# Altium PCB Enigma Rev B.PcbDoc (part 2 of 8) (continued)
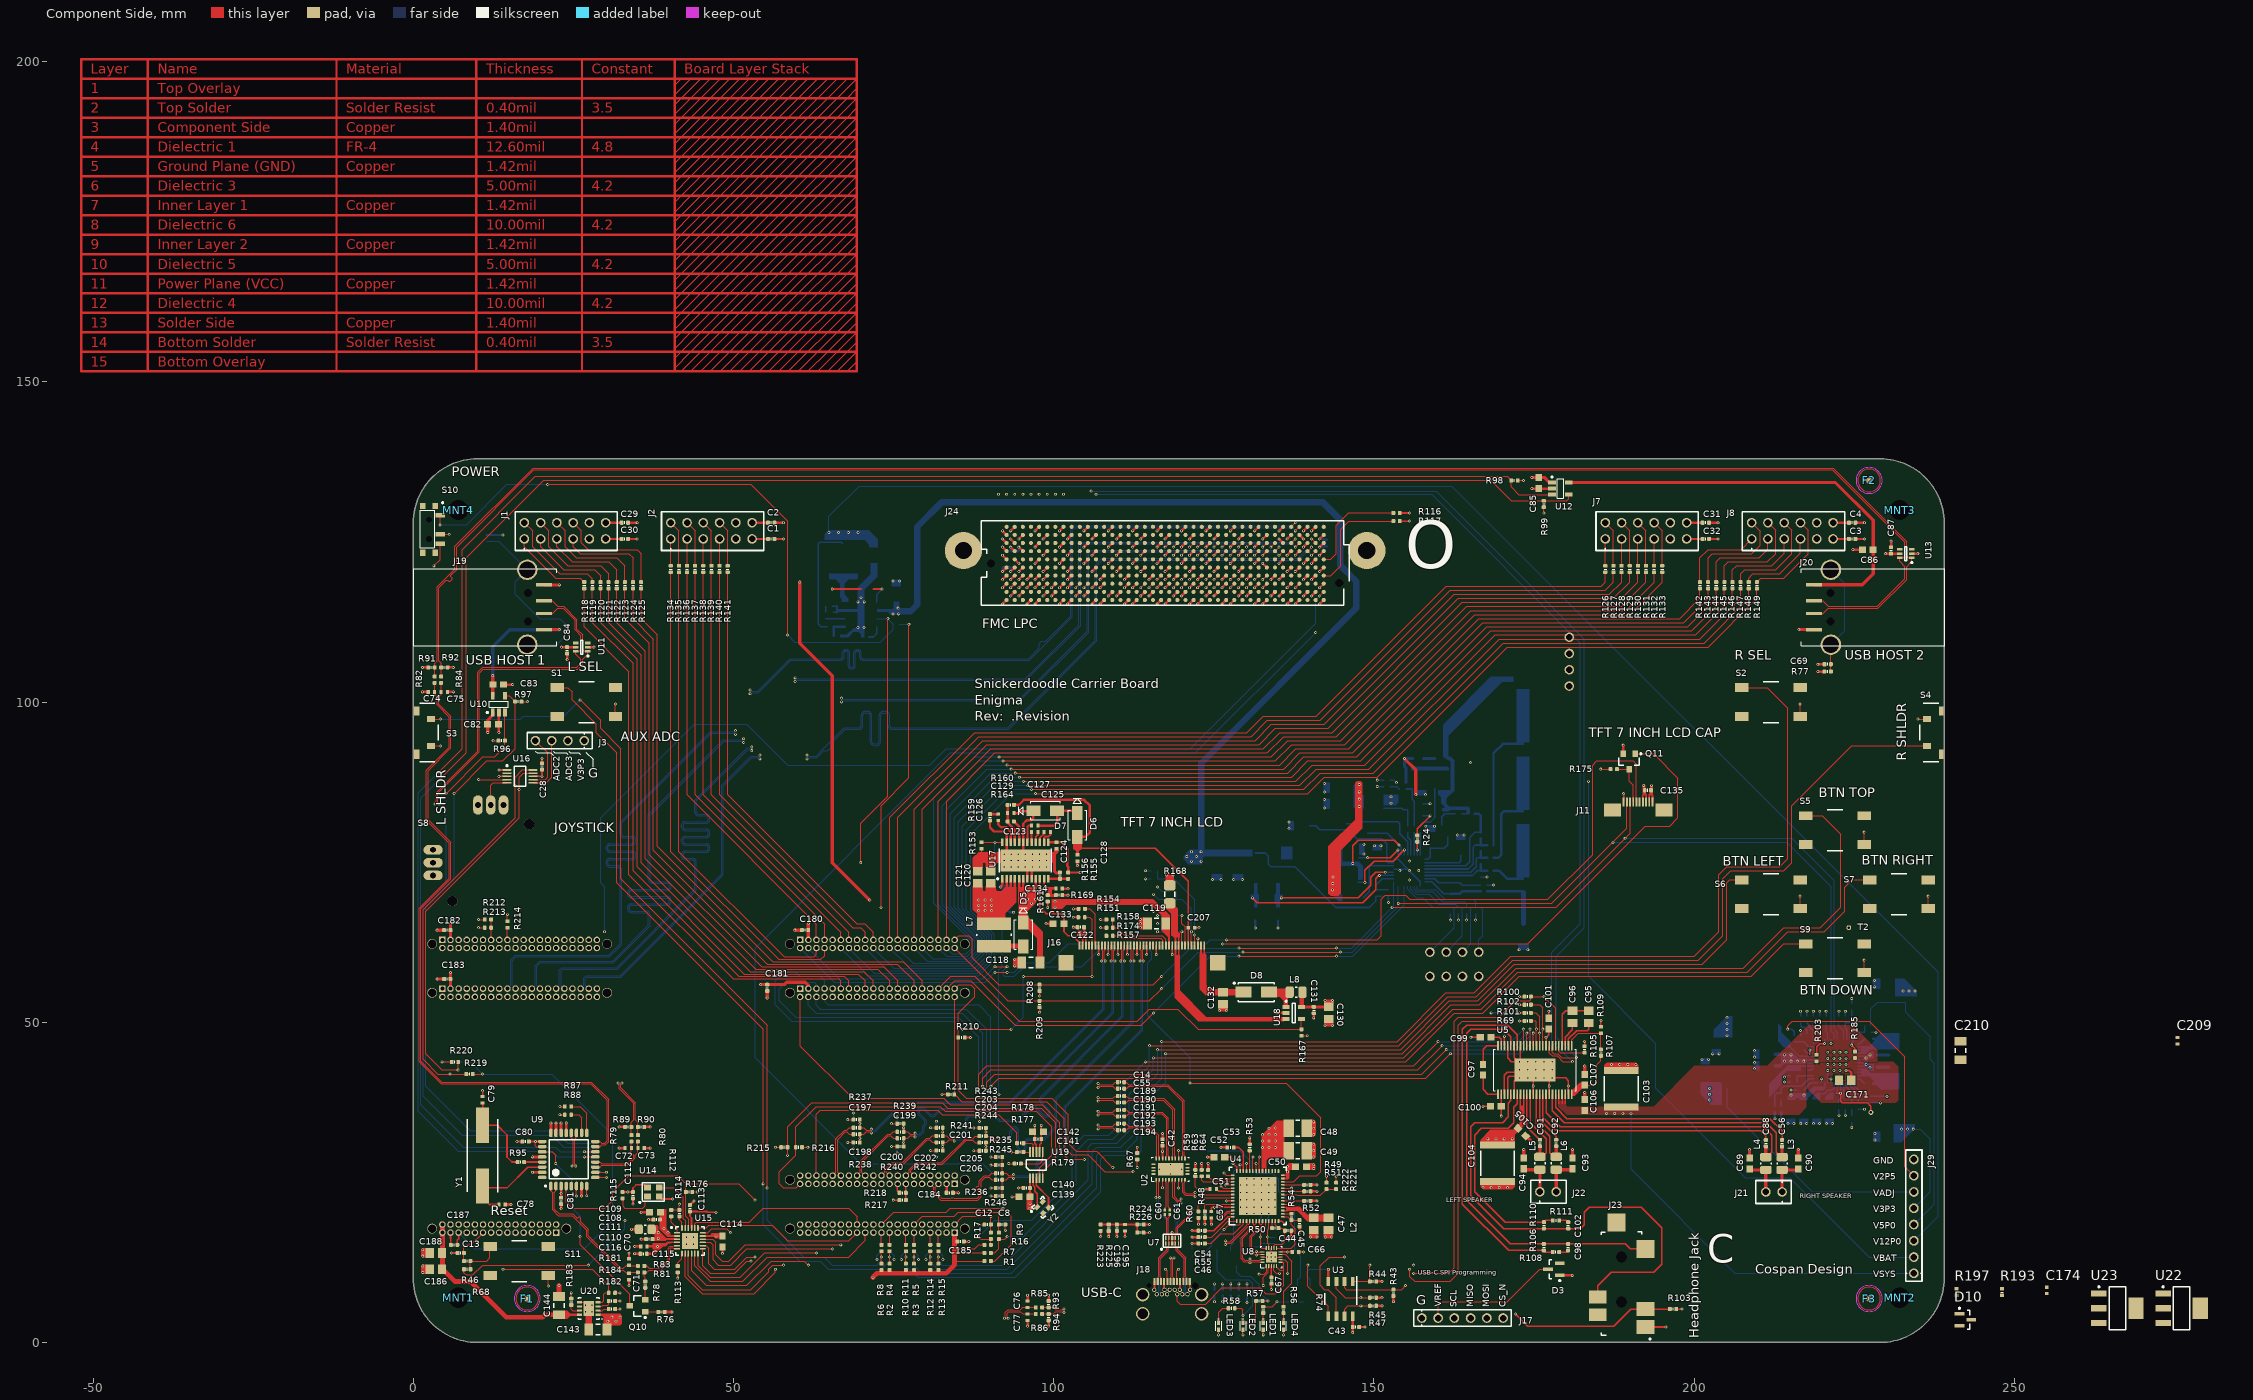
[diagram p0: Component Side view]
## Part data (continued)
J3: "CONN HEADER .100\" 4POS TIN PCB", Color=Black, Manufacturer="Samtec Inc", Manufacturer Part Number=SSW-116-01-T-S, Supplier Part Number 1=SAM1213-16-ND, Category="Connectors, Interconnects", ComponentLink1Description=http://www.samtec.com/documents/webfiles/cpdf/SSW-1XX-XX-XXX-X-XX-XXX-XX-MKT.pdf, ComponentLink1URL=http://www.samtec.com/documents/webfiles/cpdf/SSW-1XX-XX-XXX-X-XX-XXX-XX-MKT.pdf, Connector Type=Receptacle, Contact Finish=Tin, Contact Finish Thickness=-, Contact Type="Female Socket", Fastening Type=-, Features=-, Mounting Type="Through Hole", Number of Positions=16, Number of Positions Loaded=All, Number of Rows=1, Packaging=Bulk, Pitch="0.100\" (2.54mm)", Pricing="1=1.65, 10=1.476, 100=1.2158, 500=0.96106, 1000=0.825, 5000=0.75264, 10000=0.72369 (USD)", RoHS="RoHS Compliant", Row Spacing=-, Stock 1=0, Supplier 1=Digi-Key, Termination=Solder
J4: "SNICKERDOODLE JA1", Manufacturer=Samtec, Manufacturer Part Number=TFM-120-01-F-D-A
J5: "SNICKERDOODLE JA2", Manufacturer=Samtec, Manufacturer Part Number=TFM-120-01-F-D-A
J6: "SNICKERDOODLE JB1", Manufacturer Part Number=TFM-120-01-F-D-A, Manufcaturer=Samtec
J9 J12 J28: "CONN HEADER .100\" 4POS TIN PCB", Color=Black, Manufacturer=Samtec, Manufacturer Part Number=TSW-104-07-T-S, Category="Connectors, Interconnects", ComponentLink1Description=http://www.samtec.com/ftppub/cpdf/TX-MKT1.PDF, ComponentLink1URL=http://www.samtec.com/ftppub/cpdf/TX-MKT1.PDF, Connector Type=Unshrouded, Contact Finish=Tin, Contact Finish Thickness="200µin (5.08µm)", Contact Mating Length="0.166\" (4.22mm)", Features=-, Height Above Board="0.100\" (2.54mm)", Height Stacking (Mating)=-, Mounting Type="Through Hole", Number of Positions=4, Number of Positions Loaded=All, Number of Rows=1, Packaging=Bulk, Pitch="0.100\" (2.54mm)", Pricing=1=0.134, RoHS="RoHS Compliant", Row Spacing=-, Supplier 1=Samtec, Supplier Part Number 1=TSW-104-07-T-S, Termination=Solder
J10: "SNICKERDOODLE JB2", Manufacturer=Samtec, Manufacturer Part Number=TFM-120-01-F-D-A
J11: "CONN FFC BOTTOM 10POS 0.50MM R/A", Actuator Color=Black, Current Rating=0.5A, Manufacturer="Amphenol FCI", Manufacturer Part Number=SFV10R-1STE1HLF, Material Flammability Rating="UL94 V-0", Operating Temperature="-55°C ~ 105°C", Supplier Part Number 1=609-4305-1-ND, Voltage Rating=50V, Actuator Material="Polyphenylene Sulfide (PPS), Glass Filled, Halogen Free", Cable End Type="Straight, Tapered", Category="Connectors, Interconnects", ComponentLink1Description=http://portal.fciconnect.com/Comergent//fci/drawing/10112793.pdf, ComponentLink1URL=http://portal.fciconnect.com/Comergent//fci/drawing/10112793.pdf, Connector/Contact Type="Contacts, Bottom", Contact Finish=Tin, Contact Finish Thickness=-, Contact Material="Phosphor Bronze", Features="Solder Retention, Zero Insertion Force (ZIF)", FFC, FCB Thickness="0.30mm, 0.33mm", Flat Flex Type="FFC, FPC", Height Above Board="0.071\" (1.80mm)", Housing Color=Black, Housing Material="Polyamide (PA), Nylon, Glass Filled, Halogen Free", Locking Feature="Slide Lock", Mating Cycles=20, Mounting Type="Surface Mount, Right Angle", Number of Positions=10, Packaging="Cut Tape (CT)", Part Status=Active, Pitch="0.020\" (0.50mm)", Pricing 1="1=0.76, 10=0.667, 25=0.6276, 50=0.6014, 100=0.5752, 250=0.52296, 500=0.47064, 1000=0.41835 (USD)", RoHS="RoHS Compliant", Stock 1=9118, Supplier 1=Digi-Key, Termination=Solder
J13 J14 J15: "CONN HEADER PH SIDE 2POS 2MM SMD", Color=Natural, Manufacturer="JST Sales America Inc", Manufacturer Part Number=S2B-PH-SM4-TB(LF)(SN), Supplier Part Number 1=455-1749-1-ND, Category="Connectors, Interconnects", ComponentLink1Description=http://www.jst-mfg.com/product/pdf/eng/ePH.pdf, ComponentLink1URL=http://www.jst-mfg.com/product/pdf/eng/ePH.pdf, Connector Type="Header, Shrouded", Contact Finish=Tin, Contact Finish Thickness=-, Contact Mating Length=-, Contact Type="Male Pin", Fastening Type=-, Features="Solder Retention", Mounting Type="Surface Mount, Right Angle", Number of Positions=2, Number of Positions Loaded=All, Number of Rows=1, Packaging="Cut Tape (CT)", Pitch="0.079\" (2.00mm)", Pricing="1=0.51, 10=0.474, 100=0.3947, 500=0.31576 (USD)", RoHS="RoHS Compliant", Row Spacing=-, Stock 1=29466, Supplier 1=Digi-Key, Termination=Solder
J16: "CONN FPC BOTTOM 40POS 0.50MM R/A", Case/Package=SMD/SMT, Contact Resistance=30mR, Current Rating=500mA, Flammability Rating="UL94 V-0", Housing Colour=Beige, Insulation Resistance=100MR, Manufacturer="Amphenol FCI", Manufacturer Part Number=62684-401100ALF, Max Operating Temperature=85°C, Max Voltage Rating (AC)=50V, Min Operating Temperature=-55°C, Package Quantity=2000, Supplier Part Number 1=62684-401100ALF/BKN, Actuator Material=Glass,Thermoplastic, ComponentLink1Description=https://datasheet.ciiva.com/25631/0900766b8118e51f-25631168.pdf, ComponentLink1URL=https://datasheet.ciiva.com/25631/0900766b8118e51f-25631168.pdf, ComponentLink2Description=https://datasheet.ciiva.com/3112/62684-3112007.pdf, ComponentLink2URL=https://datasheet.ciiva.com/3112/62684-3112007.pdf, ComponentLink3Description=https://datasheet.ciiva.com/670/62684-670200.pdf, ComponentLink3URL=https://datasheet.ciiva.com/670/62684-670200.pdf, ComponentLink4Description=https://datasheet.ciiva.com/670/62684-670201.pdf, ComponentLink4URL=https://datasheet.ciiva.com/670/62684-670201.pdf, ComponentLink5Description=https://datasheet.ciiva.com/670/62684-670202.pdf, ComponentLink5URL=https://datasheet.ciiva.com/670/62684-670202.pdf, ComponentLink6Description=https://datasheet.ciiva.com/16659/62684-16659882.pdf, ComponentLink6URL=https://datasheet.ciiva.com/16659/62684-16659882.pdf, ComponentLink7Description=https://datasheet.ciiva.com/16709/70236840-16709916.pdf, ComponentLink7URL=https://datasheet.ciiva.com/16709/70236840-16709916.pdf, ComponentLink8Description=https://datasheet.ciiva.com/3112/62684-3112397.pdf, ComponentLink8URL=https://datasheet.ciiva.com/3112/62684-3112397.pdf, ComponentLink9Description=https://datasheet.ciiva.com/5772/62684-5772782.pdf, ComponentLink9URL=https://datasheet.ciiva.com/5772/62684-5772782.pdf, Contact Location=Bottom, Contact Material=Bronze, Contact Plating=Gold, Depth=5mm, Gender=Receptacle, Housing Material=Thermoplastic, Lead Free="Lead Free", Length=25.5mm, Max Voltage Rating (DC)=50V, Mount="Surface Mount", Number of Contacts=40, Number of Positions=40, Number of Rows=1, Orientation="Right Angle", Packaging="Tape and Reel", Pitch=0.5mm, Pricing 1="1=0.735, 40=0.6936, 100=0.6627, 200=0.6125, 500=0.5422 (USD)", REACH SVHC="No SVHC", Stock 1=1397, Supplier 1=Avnet, Termination=Solder, Voltage Rating=50V, Width=5mm
J17: "CONN HEADER .100\" 12POS TIN PCB", Color=Black, Manufacturer=Samtec, Manufacturer Part Number=TSW-106-07-T-S, Category="Connectors, Interconnects", ComponentLink1Description=http://www.samtec.com/ftppub/cpdf/TX-MKT1.PDF, ComponentLink1URL=http://www.samtec.com/ftppub/cpdf/TX-MKT1.PDF, ComponentLink2Description=http://www.samtec.com/ftppub/pdf/TD.PDF, ComponentLink2URL=http://www.samtec.com/ftppub/pdf/TD.PDF, Connector Type=Unshrouded, Contact Finish=Tin, Contact Finish Thickness="200µin (5.08µm)", Contact Mating Length="0.166\" (4.22mm)", Features=-, Height Above Board="0.100\" (2.54mm)", Height Stacking (Mating)=-, Molding Height Above Board="0.100\" (2.54mm)", Mounting Type="Through Hole", Number of Positions=6, Number of Positions Loaded=All, Number of Rows=1, Packaging=Bulk, Pitch="0.100\" (2.54mm)", Pricing=1=0.201, RoHS="RoHS Compliant", Row Spacing=-, Stock 1=0, Supplier 1=Samtec, Supplier Part Number 1=TSW-106-07-T-S, Termination=Solder
J18: "CONN RCPT USB C TOP MNT HYBRID", Manufacturer="JAE Electronics", Manufacturer Part Number=DX07S024XJ1R1100, Supplier Part Number 1=670-2848-1-ND, Category="Connectors, Interconnects", ComponentLink1Description=http://media.digikey.com/pdf/Data%20Sheets/JAE%20PDFs/DX07S024XJ1_Dwg.pdf, ComponentLink1URL=http://media.digikey.com/pdf/Data%20Sheets/JAE%20PDFs/DX07S024XJ1_Dwg.pdf, Connector Type="USB - C", Features="Board Guide", Gender=Receptacle, Ingress Protection=-, Mounting Type="Surface Mount, Right Angle; Through Hole", Number of Contacts=24, Packaging="Cut Tape (CT)", Part Status=Active, Pricing 1="1=2.85, 10=2.587, 25=2.4288, 50=2.3232, 100=2.2176, 250=2.0064, 500=1.848 (USD)", RoHS="RoHS Compliant", Specifications="USB 3.1, Superspeed+", Stock 1=1709, Supplier 1=Digi-Key
J19 J20: "CONN PLUG USB A 4POS SMD R/A", Manufacturer="Molex Inc", Manufacturer Part Number=0480372200, Supplier Part Number 1=WM3983CT-ND, Category="Connectors, Interconnects", ComponentLink1Description=http://www.molex.com/elqNow/elqRedir.htm?ref=http://www.molex.com/pdm_docs/sd/480372200_sd.pdf, ComponentLink1URL=http://www.molex.com/elqNow/elqRedir.htm?ref=http://www.molex.com/pdm_docs/sd/480372200_sd.pdf, Connector Type="USB - A", Features=Shielded, Gender=Plug, Ingress Protection=-, Mounting Type="Surface Mount, Right Angle, Horizontal", Number of Contacts=4, Packaging="Cut Tape (CT)", Pricing="1=1.24, 10=1.026, 25=0.9636, 50=0.8548, 100=0.7692 (USD)", RoHS="RoHS Compliant", Specifications="USB 2.0", Stock 1=3244, Supplier 1=Digi-Key
J21 J22: "CONN HEADER .100\" 2POS TIN PCB", Color=Black, Manufacturer=Samtec, Manufacturer Part Number=TSW-102-07-T-S, Category="Connectors, Interconnects", ComponentLink1Description=http://www.samtec.com/ftppub/pdf/TD.PDF, ComponentLink1URL=http://www.samtec.com/ftppub/pdf/TD.PDF, Connector Type=Unshrouded, Contact Finish=Tin, Contact Finish Thickness="200µin (5.08µm)", Contact Mating Length="0.166\" (4.22mm)", Features=-, Height Stacking (Mating)=-, Molding Height Above Board="0.100\" (2.54mm)", Mounting Type="Through Hole", NOTE="This is a 1X12 header", Number of Positions=2, Number of Positions Loaded=All, Number of Rows=1, Pitch="0.100\" (2.54mm)", RoHS="RoHS Compliant", Row Spacing=-, Supplier 1=Samtec, Supplier Part Number 1=TSW-102-07-T-S, Termination=Solder
J23: library part J_HEADPHONE_JACK, "CONN AUDIO JACK 3.5MM 4COND SMD", Color=Green, Manufacturer="CUI Inc", Manufacturer Part Number=SJ-43516-SMT-GR, Supplier Part Number 1=CP-43516SJGRCT-ND, Category="Connectors, Interconnects", ComponentLink1Description=http://products.cui.com/GetSpecForDigikey.aspx?MFGNum=SJ-43516-SMT, ComponentLink1URL=http://products.cui.com/GetSpecForDigikey.aspx?MFGNum=SJ-43516-SMT, Connector Type="Phone Jack", Features="Board Guide", Gender=Female, Internal Switch(s)="Two Switches", Mounting Type="Surface Mount, Right Angle", Number of Positions/Contacts="4 Conductors, 6 Contacts", Packaging="Cut Tape (CT)", Plug/Mating Plug Diameter="3.50mm (0.141\", 1/8\", Mini Plug) - Headphone", Pricing="1=1.26, 10=0.982, 100=0.749, 500=0.59796 (USD)", RoHS="RoHS Compliant", Shielding=Unshielded, Signal Lines=Stereo, Stock 1=3934, Supplier 1=Digi-Key, Termination=Solder
J24: library part J_ASP-134486-01, "CONN SNGL-END ARRAY FMALE 400POS", Manufacturer="Samtec Inc.", Supplier Part Number 1=SAM8728-ND, Category="Connectors, Interconnects", Connector Type="Array, Female Sockets", Contact Finish=Gold, Contact Finish Thickness="30µin (0.76µm)", Features="Board Guide", Height Above Board="0.258\" (6.55mm)", Manufacturer Part Number=ASP-134486-01, Mated Stacking Heights=-, Mounting Type="Surface Mount", Number of Positions=400, Number of Rows=10, Packaging="Tape & Reel (TR)", Part Status=Active, Pitch="0.050\" (1.27mm)", Pricing 1="1=20.4, 10=19.67, 25=18.9412, 50=18.5768, 100=18.2125, 250=17.84824, 500=17.484 (USD)", RoHS="RoHS Compliant", Stock 1=64, Supplier 1=Digi-Key
J25: "SNICKERDOODLE JC1", Manufacturer=Samtec, Manufacturer Part Number=TFM-120-01-F-D-A
J26: "SNICKERDOODLE J3", Manufacturer=Samtec, Manufacturer Part Number=TFM-120-01-F-D-A
J27: "SNICKERDOODLE J2", Manufacturer=Samtec, Manufacturer Part Number=TFM-115-01-F-D-A
J29: library part J_HDR1X8_THRHOLE_VERT_FEMALE, "CONN HEADER FEMALE 8POS .1\" TIN", Color=Black, Manufacturer=Samtec, Manufacturer Part Number=SSW-108-01-T-S, Category="Connectors, Interconnects", ComponentLink1Description=http://www.sullinscorp.com/drawings/101_xPxCxxxLFBN-RC,_10492-D.pdf, ComponentLink1URL=http://www.sullinscorp.com/drawings/101_xPxCxxxLFBN-RC,_10492-D.pdf, Connector Type=Header, Contact Finish=Tin, Contact Finish Thickness=-, Contact Type="Female Socket", Fastening Type=-, Features=-, Mounting Type="Through Hole", Number of Positions=8, Number of Positions Loaded=All, Number of Rows=1, Pitch="0.100\" (2.54mm)", Pricing=1=0.497, RoHS="RoHS Compliant", Supplier 1=Samtec, Supplier Part Number 1=SSW-108-01-T-S, Termination=Solder
L1: "2.2µH Shielded Molded Inductor 5A 37.7 mOhm Max", DC Resistance (DCR)="37.7 mOhm Max", Manufacturer="Vishay Dale", Manufacturer Part Number=IHLP2020BZER2R2M11, Operating Temperature="-55°C ~ 125°C", Package / Case=Nonstandard, Q @ Freq=-, Supplier Part Number 1=541-1220-1-ND, Tolerance=±20%, Category="Inductors, Coils, Chokes", ComponentLink1Description=http://www.vishay.com/docs/34261/ihlp2020bz11.pdf, ComponentLink1URL=http://www.vishay.com/docs/34261/ihlp2020bz11.pdf, Height - Seated (Max)="0.079\" (2.00mm)", Material - Core=-, Mounting Type="Surface Mount", Packaging="Cut Tape (CT)", Part Status=Active, Pricing 1="1=2.39, 10=2.208, 100=1.5456, 500=1.2512, 1000=1.1408 (USD)", Ratings=-, RoHS="RoHS Compliant", Shielding=Shielded, Size / Dimension="0.216\" L x 0.204\" W (5.49mm x 5.18mm)", Stock 1=9448, Supplier 1=Digi-Key, Supplier Device Package=-, Type=Molded
L2: "FERRITE BEAD 21 OHM 0805 1LN", Current Rating=6A, DC Resistance (DCR) (Max)="4 mOhm", Impedance @ Frequency="21 Ohm @ 100MHz", Manufacturer="Taiyo Yuden", Manufacturer Part Number=FBMJ2125HM210NT, Operating Temperature="-40°C ~ 125°C", Package / Case=0805, Ratings=-, Supplier Part Number 1=587-1765-1-ND, Category=Filters, ComponentLink1Description=http://ds.yuden.co.jp/TYCOMPAS/ut/detail.do?productNo=FBMJ2125HM210NT&fileName=FBMJ2125HM210NT_SS&mode=specSheetDownload, ComponentLink1URL=http://ds.yuden.co.jp/TYCOMPAS/ut/detail.do?productNo=FBMJ2125HM210NT&fileName=FBMJ2125HM210NT_SS&mode=specSheetDownload, Current Rating (Max)=6A, Filter Type="Power Line", Height (Max)="0.041\" (1.05mm)", Mounting Type="Surface Mount", Packaging="Cut Tape (CT)", Part Status=Active, Pricing 1="1=0.12, 10=0.099, 25=0.0772, 50=0.0638, 100=0.055, 250=0.044, 500=0.0396, 1000=0.033 (USD)", RoHS="RoHS Compliant", Size / Dimension="0.079\" L x 0.049\" W (2.00mm x 1.25mm)", Stock 1=26823, Supplier 1=Digi-Key
L3 L4 L5 L6 L8: library part L_0806_22uH, "INDUCTOR 22UH 10% 0806 SMD", Current=240mA, Current - Saturation=250mA, DC Resistance (DCR)="1.8 Ohm", Frequency - Self Resonant=16MHz, Frequency - Test=2.52MHz, Inductance=22µH, Manufacturer="Taiyo Yuden", Operating Temperature="-40°C ~ 105°C", Package / Case=0806, Q @ Freq=-, Supplier Device Package="0806 (2016 Metric)", Supplier Part Number 1=587-3048-1-ND, Tolerance=±10%, Category="Inductors, Coils, Chokes", ComponentLink1Description=http://www.yuden.co.jp/ut/product/category/inductor/CBC2016T220K.pdf, ComponentLink1URL=http://www.yuden.co.jp/ut/product/category/inductor/CBC2016T220K.pdf, Current Rating=240mA, Height - Seated (Max)="0.071\" (1.80mm)", Manufacturer Part Number=CBC2016T220K, Material - Core=-, Mounting Type="Surface Mount", Packaging="Cut Tape (CT)", Pricing="1=0.2, 10=0.192, 50=0.18, 100=0.168, 500=0.132, 1000=0.108 (USD)", RoHS="RoHS Compliant", Shielding=Unshielded, Size / Dimension="0.079\" L x 0.063\"W (2.00mm x 1.60mm)", Stock 1=3275, Supplier 1=Digi-Key, Type=Wirewound
L7: library part L_4.70UH_1.72A_SMD, "INDUCTOR POWER 4.7UH 1.72A SMD", Current=1.72A, Current - Saturation=1.65A, Current - Temperature Rise=-, DC Resistance (DCR)="82 mOhm Max", Frequency - Self Resonant=70MHz, Frequency - Test=100kHz, Inductance=4.7µH, Manufacturer="Wurth Electronics Inc", Manufacturer Part Number=744042004, Operating Temperature="-40°C ~ 125°C", Package / Case="0.189\" L x 0.189\" W x 0.071\" H (4.80mm x 4.80mm x 1.80mm)", Supplier Part Number 1=732-1021-1-ND, Tolerance=±30%, Applications="General Purpose", Category="Inductors, Coils, Chokes", ComponentLink1Description=http://katalog.we-online.de/kataloge/eisos/media/pdf/744042004.pdf, ComponentLink1URL=http://katalog.we-online.de/kataloge/eisos/media/pdf/744042004.pdf, Material - Core=-, Mounting Type="Surface Mount", Packaging="Cut Tape (CT)", Pricing="1=1.85, 25=1.5444, 100=1.3128, 250=1.15836 (USD)", Q @ Freq=-, RoHS="RoHS Compliant", Shielding=Shielded, Stock 1=9223, Supplier 1=Digi-Key, Type=-
L9 L10 L11 L12: "FIXED IND 4.7UH 5A 41 MOHM SMD", DC Resistance (DCR)="41 mOhm Max", Inductance=4.7µH, Manufacturer=KEMET, Manufacturer Part Number=MPLC0730L4R7, Max DC Current=5A, Operating Temperature="-20°C ~ 120°C", Package / Case="2-SMD, J-Lead", Q @ Freq=-, Supplier Part Number 1=399-10992-1-ND, Tolerance=±20%, Category="Inductors, Coils, Chokes", ComponentLink1Description=https://search.kemet.com/component-edge/download/datasheet/MPLC0730L4R7.pdf, ComponentLink1URL=https://search.kemet.com/component-edge/download/datasheet/MPLC0730L4R7.pdf, Height - Seated (Max)="0.118\" (3.00mm)", Material - Core=-, Mounting Type="Surface Mount", Packaging="Cut Tape (CT)", Part Status=Active, Pricing 1="1=0.9, 10=0.837, 25=0.7728, 50=0.644, 100=0.6054, 250=0.54096, 500=0.46368 (USD)", Ratings=-, RoHS="RoHS Compliant", Shielding=Shielded, Size / Dimension="0.303\" L x 0.264\" W (7.70mm x 6.70mm)", Stock 1=3443, Supplier 1=Digi-Key, Supplier Device Package=-, Type=Wirewound
LED1: "LED 1X0.5MM 570NM GN WTR CLR SMD", Color=Green, Current - Test=20mA, Luminous Flux @ Current - Test="126 mlm", Manufacturer="Kingbright Corp", Manufacturer Part Number=APHHS1005CGCK, Millicandela Rating=40mcd, Package / Case=0402, Supplier Part Number 1=754-1101-1-ND, Voltage - Forward (Vf) Typ=2.1V, Category=Optoelectronics, ComponentLink1Description=http://www.us.kingbright.com/images/catalog/SPEC/APHHS1005CGCK.pdf, ComponentLink1URL=http://www.us.kingbright.com/images/catalog/SPEC/APHHS1005CGCK.pdf, Lens Style/Size="Rectangle, 0.8mm x 0.5mm", Lens Type=Clear, Mounting Type="Surface Mount", Packaging="Cut Tape (CT)", Pricing="1=0.24, 10=0.176, 25=0.1412, 100=0.1293, 250=0.11752, 500=0.10576, 1000=0.094 (USD)", RoHS="RoHS Compliant", Stock 1=3400, Supplier 1=Digi-Key, Viewing Angle=120°, Wavelength - Dominant=570nm, Wavelength - Peak=574nm
LED2: "LED 1X0.5MM 470NM BL WTR CLR SMD", Color=Blue, Current - Test=5mA, Luminous Flux @ Current - Test=18mcd, Manufacturer="Panasonic Electronic Components - Semiconductor Products", Manufacturer Part Number=LNJ947W8CRA, Package / Case=0402, Supplier Part Number 1=LNJ947W8CRACT-ND, Voltage - Forward (Vf) Typ=2.9V, Category=Optoelectronics, ComponentLink1Description=http://industrial.panasonic.com/www-cgi/jvcr13pz.cgi?E+SC+4+ATA7003+LNJ947W8CRA+8+WW, ComponentLink1URL=http://industrial.panasonic.com/www-cgi/jvcr13pz.cgi?E+SC+4+ATA7003+LNJ947W8CRA+8+WW, Height=0.20mm, Lens Style/Size="Rectangle with Flat Top, 0.7mm x 0.5mm", Lens Type=-, Millicandela Rating=18mcd, Mounting Type="Surface Mount", Packaging="Cut Tape (CT)", Pricing="1=0.52, 25=0.342, 100=0.2808, 250=0.234, 500=0.1944, 1000=0.144 (USD)", RoHS="RoHS Compliant", Size / Dimension="1.00mm L x 0.50mm W", Stock 1=25660, Supplier 1=Digi-Key, Viewing Angle=-, Wavelength - Dominant=472nm, Wavelength - Peak=465nm
LED3: "LED 1X0.5MM 601NM ORN WTRCLR SMD", Color=Orange, Current - Test=20mA, Luminous Flux @ Current - Test="503 mlm", Manufacturer="Kingbright Corp", Manufacturer Part Number=APHHS1005SECK, Millicandela Rating=160mcd, Package / Case=0402, Supplier Part Number 1=754-1103-1-ND, Voltage - Forward (Vf) Typ=2.1V, Category=Optoelectronics, ComponentLink1Description=http://www.us.kingbright.com/images/catalog/SPEC/APHHS1005SECK.pdf, ComponentLink1URL=http://www.us.kingbright.com/images/catalog/SPEC/APHHS1005SECK.pdf, Lens Style/Size="Rectangle, 0.8mm x 0.5mm", Lens Type=Clear, Mounting Type="Surface Mount", Packaging="Cut Tape (CT)", Pricing 1="1=0.3, 10=0.221, 25=0.1772, 100=0.1623, 250=0.14752, 500=0.13276, 1000=0.118 (USD)", RoHS="RoHS Compliant", Stock 1=12357, Supplier 1=Digi-Key, Viewing Angle=120°, Wavelength - Dominant=601nm, Wavelength - Peak=610nm
LED4: "LED 1X0.5MM 630NM RD WTR CLR SMD", Color=Red, Current - Test=20mA, Luminous Flux @ Current - Test="471 mlm", Manufacturer="Kingbright Corp", Manufacturer Part Number=APHHS1005SURCK, Millicandela Rating=150mcd, Package / Case=0402, Supplier Part Number 1=754-1104-1-ND, Voltage - Forward (Vf) Typ=1.95V, Category=Optoelectronics, ComponentLink1Description=http://www.us.kingbright.com/images/catalog/SPEC/APHHS1005SURCK.pdf, ComponentLink1URL=http://www.us.kingbright.com/images/catalog/SPEC/APHHS1005SURCK.pdf, Lens Style/Size="Rectangle, 0.8mm x 0.5mm", Lens Type=Clear, Mounting Type="Surface Mount", Packaging="Cut Tape (CT)", Pricing 1="1=0.3, 10=0.221, 25=0.1772, 100=0.1623, 250=0.14752, 500=0.13276, 1000=0.118 (USD)", RoHS="RoHS Compliant", Stock 1=32842, Supplier 1=Digi-Key, Viewing Angle=120°, Wavelength - Dominant=630nm, Wavelength - Peak=650nm
MNT1 MNT2 MNT3 MNT4: library part MNT_440_HOLE
Q1 Q2 Q4 Q5 Q6: library part Q_N-CH_8SON_60A_9.5mOHM, "MOSFET N-CH 25V 60A 8-SON", Current - Continuous Drain (Id) @ 25° C=60A, Drain to Source Voltage (Vdss)=25V, Input Capacitance (Ciss) @ Vds="800pF @ 12.5V", Manufacturer="Texas Instruments", Manufacturer Part Number=CSD16409Q3, Package / Case=8-SON, Power - Max=2.6W, Supplier Part Number 1=296-24253-1-ND, Category="Discrete Semiconductor Products", ComponentLink1Description=http://focus.ti.com/lit/ds/symlink/csd16409q3.pdf, ComponentLink1URL=http://focus.ti.com/lit/ds/symlink/csd16409q3.pdf, FET Feature="Logic Level Gate", FET Type="MOSFET N-Channel, Metal Oxide", Gate Charge (Qg) @ Vgs="5.6nC @ 4.5V", Mounting Type="Surface Mount", Packaging="Cut Tape (CT)", Pricing="1=1.72, 25=1.356, 100=1.2204, 250=1.0622, 500=0.9492, 1000=0.7458 (USD)", RoHS="RoHS Compliant By Exemption", Stock 1=39445, Supplier 1=Digi-Key, Supplier Device Package=8-SON, Vgs(th) (Max) @ Id="2.3V @ 250µA"
  Q1 Q2: Rds On (Max) @ Id, Vgs="8.2 mOhm"
  Q4 Q5 Q6: Rds On (Max) @ Id, Vgs="8.2 mOhm @ 17A, 10V"
Q3: library part Q_NFET_3.50A_SOT23, "MOSFET N-CH 20V 3.5A SOT23-3", Current - Continuous Drain (Id) @ 25° C=3.5A, Drain to Source Voltage (Vdss)=20V, Input Capacitance (Ciss) @ Vds="872pF @ 10V", Manufacturer=Diodes/Zetex, Manufacturer Part Number=ZXMN2B14FHTA, Package / Case=SOT-23-3, Power - Max=1W, Supplier Part Number 1=ZXMN2B14FHCT-ND, Category="Discrete Semiconductor Products", ComponentLink1Description=http://www.diodes.com/datasheets/ZXMN2B14FH.pdf, ComponentLink1URL=http://www.diodes.com/datasheets/ZXMN2B14FH.pdf, FET Feature="Logic Level Gate", FET Type="MOSFET N-Channel, Metal Oxide", Gate Charge (Qg) @ Vgs="11nC @ 4.5V", Mounting Type="Surface Mount", Packaging="Cut Tape (CT)", Pricing="1=0.88, 10=0.764, 100=0.603, 250=0.5226, 500=0.4422, 1000=0.35175 (USD)", Rds On (Max) @ Id, Vgs="55 mOhm @ 3.5A, 4.5V", RoHS="RoHS Compliant", Stock 1=14777, Supplier 1=Digi-Key, Supplier Device Package=SOT-23-3, Vgs(th) (Max) @ Id="1V @ 250µA"
Q7 Q8 Q9 Q11: library part Q_NFET_3.50A_SOT23, "MOSFET N-CH 20V 3.5A SOT23-3", Current - Continuous Drain (Id) @ 25° C=3.5A, Current - Continuous Drain (Id) @ 25°C="3.5A (Ta)", Drain to Source Voltage (Vdss)=20V, Drive Voltage (Max Rds On,  Min Rds On)="1.8V, 4.5V", Input Capacitance (Ciss) (Max) @ Vds="872pF @ 10V", Manufacturer="Diodes Incorporated", Manufacturer Part Number=ZXMN2B14FHTA, Operating Temperature="-55°C ~ 150°C (TJ)", Package / Case=SOT-23-3, Power - Max=1W, Power Dissipation (Max)="1W (Ta)", Supplier Part Number 1=ZXMN2B14FHCT-ND, Category="Discrete Semiconductor Products", ComponentLink1Description=http://www.diodes.com/_files/datasheets/ZXMN2B14FH.pdf, ComponentLink1URL=http://www.diodes.com/_files/datasheets/ZXMN2B14FH.pdf, FET Feature=-, FET Type=N-Channel, Gate Charge (Qg) (Max) @ Vgs="11nC @ 4.5V", Mounting Type="Surface Mount", Packaging="Cut Tape (CT)", Part Status=Active, Pricing 1="1=0.78, 10=0.683, 100=0.5238, 500=0.41406, 1000=0.33125 (USD)", Rds On (Max) @ Id, Vgs="55 mOhm @ 3.5A, 4.5V", RoHS="RoHS Compliant", Stock 1=1379, Supplier 1=Digi-Key, Supplier Device Package=SOT-23-3, Technology="MOSFET (Metal Oxide)", Vgs (Max)=±8V, Vgs(th) (Max) @ Id="1V @ 250µA"
Q10: library part Q_NPN_40MA_HFE_1000, "TRANS NPN 40V 50MA MINI3", Current - Collector (Ic) (Max)=50mA, Current - Collector Cutoff (Max)=1µA, DC Current Gain (hFE) (Min) @ Ic, Vce="1000 @ 2mA, 10V", Frequency - Transition=150MHz, Manufacturer="Panasonic Electronic Components - Semiconductor Products", Manufacturer Part Number=DSC2A01T0L, Package / Case=SOT-23-3, Power - Max=200mW, Supplier Device Package=Mini3-G3-B, Supplier Part Number 1=DSC2A01T0LCT-ND, Voltage - Collector Emitter Breakdown (Max)=40V, Category="Discrete Semiconductor Products", ComponentLink1Description=http://industrial.panasonic.com/www-cgi/jvcr13pz.cgi?E+SC+4+AJA7004+DSC2A01+8+WW, ComponentLink1URL=http://industrial.panasonic.com/www-cgi/jvcr13pz.cgi?E+SC+4+AJA7004+DSC2A01+8+WW, Mounting Type="Surface Mount", Packaging="Cut Tape (CT)", Pricing="1=0.4, 25=0.2248, 100=0.1701, 250=0.12036, 500=0.0963, 1000=0.07383 (USD)", RoHS="RoHS Compliant", Stock 1=2697, Supplier 1=Digi-Key, Transistor Type=NPN, Vce Saturation (Max) @ Ib, Ic="200mV @ 1mA, 10mA"
R1 R4 R5 R8 R9 R11 R14 R15 R17 R24 R46 R62 R63 R64 R67 R69 R70 R73 R87 R88 R100 R101 R102 R103 R104 R105 R106 R110 R116 R117 R154 R157 R175 R176 R180 R181 R189 R197 R203 R204 R212 R213 R214 R217 R218 R221 R222 R227 R228 R229 R230 R231 R232 R233 R234 R235 R236 R237 R238 R239 R240 R241 R242 R243 R244 R245 R246: "RES 10.0K OHM 1/16W 1% 0402 SMD", Case=0402, Manufacturer="Stackpole Electronics Inc", Manufacturer Part Number=RMCF0402FT10K0, Package / Case="0402 (1005 Metric)", Power (Watts)=1/16W, Resistance (Ohms)=10k, Resistance In Ohms=10.0K, Supplier Part Number 1=RMCF0402FT10K0CT-ND, Temperature Coefficient=±100ppm/°C, Tolerance=±1%, Category=Resistors, ComponentLink1Description=http://www.seielect.com/Catalog/SEI-RMCF_RMCP.pdf, ComponentLink1URL=http://www.seielect.com/Catalog/SEI-RMCF_RMCP.pdf, Composition="Thick Film", Features=-, Height="0.016\" (0.40mm)", Number of Terminations=2, Packaging="Cut Tape (CT)", Pricing="1=0.04, 10=0.025, 50=0.0138, 100=0.0105, 250=0.0078, 500=0.00576, 1000=0.00384, 2500=0.00324, 5000=0.0027 (USD)", RoHS="RoHS Compliant", Size / Dimension="0.039\" L x 0.020\" W (1.00mm x 0.50mm)", Stock 1=234525, Supplier 1=Digi-Key
R2 R3 R6 R7 R10 R12 R13 R16 R60 R68 R113 R115 R163 R165 R166 R173 R174 R182 R183: "RES SMD 100K OHM 1% 1/16W 0402", Case=0402, Manufacturer=Yageo, Manufacturer Part Number=RC0402FR-07100KL, Operating Temperature="-55°C ~ 155°C", Package / Case="0402 (1005 Metric)", Power (Watts)=1/16W, Resistance (Ohms)=100k, Resistance In Ohms=100K, Supplier Part Number 1=311-100KLRCT-ND, Temperature Coefficient=±100ppm/°C, Tolerance=±1%, Category=Resistors, ComponentLink1Description=http://www.yageo.com/NewPortal/yageodocoutput?fileName=/pdf/R-Chip/PYu-RC_Group_51_RoHS_L_3.pdf, ComponentLink1URL=http://www.yageo.com/NewPortal/yageodocoutput?fileName=/pdf/R-Chip/PYu-RC_Group_51_RoHS_L_3.pdf, Composition="Thick Film", Features="Moisture Resistant", Height="0.016\" (0.40mm)", Number of Terminations=2, Packaging="Cut Tape (CT)", Pricing 1="1=0.1, 10=0.013, 25=0.0096, 100=0.0054, 250=0.00412, 500=0.00328, 1000=0.00242, 2500=0.0021, 5000=0.00173 (USD)", RoHS="RoHS Compliant", Size / Dimension="0.039\" L x 0.020\" W (1.00mm x 0.50mm)", Stock 1=4989982, Supplier 1=Digi-Key, Supplier Device Package=0402
R18 R19 R26: "RES SMD 10M OHM 1% 1/16W 0402", Case=0402, Manufacturer=Yageo, Manufacturer Part Number=RC0402FR-0710ML, Operating Temperature="-55°C ~ 155°C", Package / Case="0402 (1005 Metric)", Power (Watts)=1/16W, Resistance (Ohms)=10M, Supplier Part Number 1=311-10.0MLRCT-ND, Temperature Coefficient=±100ppm/°C, Tolerance=±1%, Category=Resistors, ComponentLink1Description=http://www.yageo.com/NewPortal/yageodocoutput?fileName=/pdf/R-Chip/PYu-RC_Group_51_RoHS_L_4.pdf, ComponentLink1URL=http://www.yageo.com/NewPortal/yageodocoutput?fileName=/pdf/R-Chip/PYu-RC_Group_51_RoHS_L_4.pdf, Composition="Thick Film", Failure Rate=-, Features="Moisture Resistant", Height - Seated (Max)="0.016\" (0.40mm)", Number of Terminations=2, Packaging="Cut Tape (CT)", Part Status=Active, Pricing 1="1=0.1, 10=0.015, 25=0.0108, 100=0.006, 250=0.00456, 500=0.00364, 1000=0.00268, 2500=0.00233, 5000=0.00192 (USD)", Resistance In Ohms=10M, RoHS="RoHS Compliant", Size / Dimension="0.039\" L x 0.020\" W (1.00mm x 0.50mm)", Stock 1=285948, Supplier 1=Digi-Key, Supplier Device Package=0402
R20: "RES 10.0 OHM 1/16W 1% 0402 SMD", Case=0402, Manufacturer=Yageo, Manufacturer Part Number=RC0402FR-0710RL, Operating Temperature="-55°C ~ 155°C", Package / Case="0402 (1005 Metric)", Power (Watts)=1/16W, Resistance In Ohms=10.0, Supplier Part Number 1=311-10.0LRCT-ND, Temperature Coefficient=±200ppm/°C, Tolerance=±1%, Category=Resistors, ComponentLink1Description=http://www.yageo.com/documents/recent/PYu-RC_Group_51_RoHS_L_7.pdf, ComponentLink1URL=http://www.yageo.com/documents/recent/PYu-RC_Group_51_RoHS_L_7.pdf, Composition="Thick Film", Failure Rate=-, Features="Moisture Resistant", Height - Seated (Max)="0.016\" (0.40mm)", Packaging="Cut Tape (CT)", Part Status=Active, Pricing 1="1=0.1, 10=0.014, 100=0.0056, 1000=0.00253, 2500=0.0022, 5000=0.00181 (USD)", RoHS="RoHS Compliant", Size / Dimension="0.039\" L x 0.020\" W (1.00mm x 0.50mm)", Stock 1=1266033, Supplier 1=Digi-Key, Supplier Device Package=0402
R21 R25 R29 R31: "RES 100 OHM 1/16W 1% 0402 SMD", Case=0402, Manufacturer=Yageo, Manufacturer Part Number=RC0402FR-07100RL, Operating Temperature="-55°C ~ 155°C", Package / Case="0402 (1005 Metric)", Power (Watts)=1/16W, Resistance (Ohms)=100, Supplier Part Number 1=311-100LRCT-ND, Temperature Coefficient=±100ppm/°C, Tolerance=±1%, Category=Resistors, ComponentLink1Description=http://www.yageo.com/documents/recent/PYu-RC_Group_51_RoHS_L_2.pdf, ComponentLink1URL=http://www.yageo.com/documents/recent/PYu-RC_Group_51_RoHS_L_2.pdf, Composition="Thick Film", Features="Moisture Resistant", Height="0.016\" (0.40mm)", Number of Terminations=2, Packaging="Cut Tape (CT)", Pricing 1="1=0.1, 10=0.013, 25=0.0096, 100=0.0054, 250=0.00412, 500=0.00328, 1000=0.00242, 2500=0.0021, 5000=0.00173 (USD)", Resistance In Ohms=100, RoHS="RoHS Compliant", Size / Dimension="0.039\" L x 0.020\" W (1.00mm x 0.50mm)", Stock 1=2051645, Supplier 1=Digi-Key, Supplier Device Package=0402
R22 R23 R30: library part R_0402_5.11K, "RES 5.11K OHM 1/10W 1% 0402 SMD", Case=0402, Manufacturer="Panasonic - ECG", Manufacturer Part Number=ERJ-2RKF5111X, Package / Case="0402 (1005 Metric)", Power (Watts)=1/10W, Resistance (Ohms)=5.11K, Supplier Part Number 1=P5.11KLCT-ND, Temperature Coefficient=±100ppm/°C, Tolerance=±1%, Category=Resistors, ComponentLink1Description=http://industrial.panasonic.com/www-cgi/jvcr13pz.cgi?E+PZ+3+AOA0002+ERJ2RKF5111X+7+WW, ComponentLink1URL=http://industrial.panasonic.com/www-cgi/jvcr13pz.cgi?E+PZ+3+AOA0002+ERJ2RKF5111X+7+WW, Composition="Thick Film", Features=-, Height="0.014\" (0.35mm)", Number of Terminations=2, Packaging="Cut Tape (CT)", Pricing="1=0.06, 50=0.0242, 100=0.0184, 250=0.01364, 500=0.01008, 1000=0.00672, 5000=0.00473 (USD)", Resistance In Ohms=5.11K, RoHS="RoHS Compliant", Size / Dimension="0.039\" L x 0.020\" W (1.00mm x 0.50mm)", Stock 1=491807, Supplier 1=Digi-Key
R27: "RES 100K OHM 1/16W 1% 0402 SMD", Case=0402, Manufacturer="Stackpole Electronics Inc", Manufacturer Part Number=RMCF0402FT100K, Package / Case="0402 (1005 Metric)", Power (Watts)=1/16W, Resistance (Ohms)=100k, Resistance In Ohms=100K, Supplier Part Number 1=RMCF0402FT100KCT-ND, Temperature Coefficient=±100ppm/°C, Tolerance=±1%, Category=Resistors, ComponentLink1Description=http://www.seielect.com/Catalog/SEI-RMCF_RMCP.pdf, ComponentLink1URL=http://www.seielect.com/Catalog/SEI-RMCF_RMCP.pdf, Composition="Thick Film", Features=-, Height="0.016\" (0.40mm)", Lead Style="Surface Mount (SMD - SMT)", Number of Terminations=2, Packaging="Cut Tape (CT)", Pricing="1=0.04, 10=0.025, 50=0.0138, 100=0.0105, 250=0.0078, 500=0.00576, 1000=0.00384, 2500=0.00324, 5000=0.0027 (USD)", RoHS="RoHS Compliant", Size / Dimension="0.039\" L x 0.020\" W (1.00mm x 0.50mm)", Stock 1=18746, Supplier 1=Digi-Key, Supplier Device Package=0402
R28: library part R_0402_1.00, "RES 1.00 OHM 1/16W 1% 0402 SMD", Case=0402, Manufacturer=Yageo, Manufacturer Part Number=RC0402FR-071RL, Operating Temperature="-55°C ~ 155°C", Package / Case="0402 (1005 Metric)", Power (Watts)=1/16W, Resistance (Ohms)=1, Resistance In Ohms=1.00, Supplier Part Number 1=311-1.00LRCT-ND, Temperature Coefficient=±200ppm/°C, Tolerance=±1%, Category=Resistors, ComponentLink1Description=http://www.yageo.com/NewPortal/yageodocoutput?fileName=/pdf/R-Chip/PYu-RC_Group_51_RoHS_L_3.pdf, ComponentLink1URL=http://www.yageo.com/NewPortal/yageodocoutput?fileName=/pdf/R-Chip/PYu-RC_Group_51_RoHS_L_3.pdf, Composition="Thick Film", Features="Moisture Resistant", Height="0.016\" (0.40mm)", Number of Terminations=2, Packaging="Cut Tape (CT)", Pricing 1="1=0.1, 10=0.02, 25=0.0144, 100=0.0082, 250=0.00624, 500=0.00498, 1000=0.00367, 2500=0.00319, 5000=0.00263 (USD)", RoHS="RoHS Compliant", Size / Dimension="0.039\" L x 0.020\" W (1.00mm x 0.50mm)", Stock 1=426521, Supplier 1=Digi-Key, Supplier Device Package=0402
R32: "RES SMD 10 OHM 1% 1/4W 1206", Case=1206, Manufacturer=Yageo, Manufacturer Part Number=RC1206FR-0710RL, Operating Temperature="-55°C ~ 155°C", Package / Case="1206 (3216 Metric)", Power (Watts)=1/4W, Resistance (Ohms)=10, Supplier Part Number 1=311-10.0FRCT-ND, Temperature Coefficient=±200ppm/°C, Tolerance=±1%, Category=Resistors, ComponentLink1Description=http://www.yageo.com/NewPortal/yageodocoutput?fileName=/pdf/R-Chip/PYu-RC_Group_51_RoHS_L_4.pdf, ComponentLink1URL=http://www.yageo.com/NewPortal/yageodocoutput?fileName=/pdf/R-Chip/PYu-RC_Group_51_RoHS_L_4.pdf, Composition="Thick Film", Failure Rate=-, Features="Moisture Resistant", Height - Seated (Max)="0.026\" (0.65mm)", Number of Terminations=2, Packaging="Cut Tape (CT)", Part Status=Active, Pricing 1="1=0.1, 10=0.032, 25=0.0232, 100=0.013, 250=0.00992, 500=0.00792, 1000=0.00583, 2500=0.00506 (USD)", Resistance In Ohms=10, RoHS="RoHS Compliant", Size / Dimension="0.122\" L x 0.063\" W (3.10mm x 1.60mm)", Stock 1=1422829, Supplier 1=Digi-Key, Supplier Device Package=1206
R33 R35 R50 R54 R112: library part R_0402_0.00, "RES SMD 0.0OHM JUMPER 1/10W 0402", Case=0402, Manufacturer="Panasonic - ECG", Manufacturer Part Number=ERJ-2GE0R00X, Package / Case="0402 (1005 Metric)", Power (Watts)=1/16W, Resistance (Ohms)=0.0, Resistance In Ohms=0.00, Supplier Part Number 1=P0.0JCT-ND, Temperature Coefficient=-, Tolerance=±1%, Category=Resistors, ComponentLink1Description=http://industrial.panasonic.com/www-cgi/jvcr13pz.cgi?E+PZ+3+AOA0001+ERJ2GE0R00X+7+WW, ComponentLink1URL=http://industrial.panasonic.com/www-cgi/jvcr13pz.cgi?E+PZ+3+AOA0001+ERJ2GE0R00X+7+WW, Composition="Thick Film", Features=-, Height="0.016\" (0.40mm)", Number of Terminations=2, Packaging="Cut Tape (CT)", Pricing="1=0.05, 50=0.0172, 100=0.0131, 250=0.00976, 500=0.0072, 1000=0.0048, 5000=0.00338 (USD)", RoHS="RoHS Compliant", Size / Dimension="0.039\" L x 0.020\" W (1.00mm x 0.50mm)", Stock 1=9828264, Supplier 1=Digi-Key
R34: "RES SMD 0.005 OHM 1% 1W 1206", Case=1206, Manufacturer="Stackpole Electronics Inc.", Manufacturer Part Number=CSRF1206FT5L00, Operating Temperature="-55°C ~ 170°C", Package / Case="1206 (3216 Metric)", Power (Watts)=1/4W, Resistance (Ohms)=0.005, Supplier Part Number 1=CSRF1206FT5L00CT-ND, Temperature Coefficient=±100ppm/°C, Tolerance=±1%, Category=Resistors, ComponentLink1Description=https://www.seielect.com/Catalog/SEI-csrf.pdf, ComponentLink1URL=https://www.seielect.com/Catalog/SEI-csrf.pdf, Composition="Metal Foil", Failure Rate=-, Features="Automotive AEC-Q200, Current Sense, Moisture Resistant", Height - Seated (Max)="0.033\" (0.85mm)", Number of Terminations=2, Packaging="Cut Tape (CT)", Part Status=Active, Pricing 1="1=0.63, 10=0.468, 50=0.33, 100=0.2723, 250=0.23652, 500=0.1925, 1000=0.15268 (USD)", Resistance In Ohms=0.005, RoHS="RoHS Compliant", Size / Dimension="0.126\" L x 0.063\" W (3.20mm x 1.60mm)", Stock 1=42538, Supplier 1=Digi-Key, Supplier Device Package=1206
R36: library part R_0.010SENSE_LK20, "RES SMD 0.01 OHM 1% 2W 1224", Manufacturer=Ohmite, Manufacturer Part Number=LVK25R010FER, Operating Temperature="-40°C ~ 125°C", Package / Case="Wide 2412 (6231 Metric), 1224", Power (Watts)=2W, Resistance (Ohms)=0.01, Supplier Device Package=1224, Supplier Part Number 1=LVK25R010FERCT-ND, Temperature Coefficient=±100ppm/°C, Tolerance=±1%, Category=Resistors, ComponentLink1Description=http://www.ohmite.com/cat/res_lvk.pdf, ComponentLink1URL=http://www.ohmite.com/cat/res_lvk.pdf, Composition="Thick Film", Features="Current Sense, Moisture Resistant", Height="0.028\" (0.70mm)", Number of Terminations=4, Packaging="Cut Tape (CT)", Pricing 1="1=1.77, 10=1.571, 25=1.4564, 50=1.3706, 100=1.1994, 250=1.028, 500=0.85668 (USD)", RoHS="RoHS Compliant", Size / Dimension="0.126\" L x 0.252\" W (3.20mm x 6.40mm)", Stock 1=3676, Supplier 1=Digi-Key
R37: "RES SMD 330K OHM 1% 1/16W 0402", Case=0402, Manufacturer=Yageo, Manufacturer Part Number=RC0402FR-07330KL, Operating Temperature="-55°C ~ 155°C", Package / Case="0402 (1005 Metric)", Power (Watts)=1/16W, Resistance (Ohms)=330k, Supplier Part Number 1=311-330KLRCT-ND, Temperature Coefficient=±100ppm/°C, Tolerance=±1%, Category=Resistors, ComponentLink1Description=http://www.yageo.com/NewPortal/yageodocoutput?fileName=/pdf/R-Chip/PYu-RC_Group_51_RoHS_L_4.pdf, ComponentLink1URL=http://www.yageo.com/NewPortal/yageodocoutput?fileName=/pdf/R-Chip/PYu-RC_Group_51_RoHS_L_4.pdf, Composition="Thick Film", Failure Rate=-, Features="Moisture Resistant", Height - Seated (Max)="0.016\" (0.40mm)", Number of Terminations=2, Packaging="Cut Tape (CT)", Part Status=Active, Pricing 1="1=0.1, 10=0.013, 25=0.0096, 100=0.0054, 250=0.00412, 500=0.00328, 1000=0.00242, 2500=0.0021, 5000=0.00173 (USD)", Resistance In Ohms=330k, RoHS="RoHS Compliant", Size / Dimension="0.039\" L x 0.020\" W (1.00mm x 0.50mm)", Stock 1=135846, Supplier 1=Digi-Key, Supplier Device Package=0402
R38 R39 R40 R41: "NTC Thermistor 10k 0402 (1005 Metric)", B Value Tolerance=±1%, Case=0402, Manufacturer="Murata Electronics North America", Manufacturer Part Number=NCP15XH103F03RC, Operating Temperature="-40°C ~ 125°C", Package / Case="0402 (1005 Metric)", Power - Max=100mW, Resistance In Ohms="10.0K NTC", Resistance in Ohms @ 25°C=10k, Supplier Part Number 1=490-4801-1-ND, B0/50=-, B25/50=3380K, B25/75=-, B25/85=3434K, B25/100=3455K, Category="Sensors, Transducers", ComponentLink1Description=http://www.murata.com/~/media/webrenewal/support/library/catalog/products/thermistor/ntc/r44e.ashx, ComponentLink1URL=http://www.murata.com/~/media/webrenewal/support/library/catalog/products/thermistor/ntc/r44e.ashx, Length - Lead Wire=-, Mounting Type="Surface Mount", Packaging="Cut Tape (CT)", Part Status=Active, Pricing 1="1=0.13, 10=0.107, 25=0.0988, 50=0.0792, 100=0.0678, 250=0.0622, 500=0.05936, 1000=0.05089, 2500=0.04806 (USD)", Resistance Tolerance=±1%, RoHS="RoHS Compliant", Stock 1=119531, Supplier 1=Digi-Key, Tolerance=±1%
R42: "RES SMD 35.7K OHM 1% 1/16W 0402", Case/Package=0402, Manufacturer 1=Yageo, Manufacturer Part Number 1=RC0402FR-0735K7L, Max Operating Temperature=155°C, Min Operating Temperature=-55°C, Power Rating=1/16W, Resistance=35.7kR, Supplier Part Number 1=311-35.7KLRDKR-ND, Temperature Coefficient=100ppm/°C, Tolerance=1%, Voltage Rating (DC)=50V, ComponentLink1Description=https://datasheet.ciiva.com/8889/pyu-rc0402-51-rohs-l-6-8889479.pdf, ComponentLink1URL=https://datasheet.ciiva.com/8889/pyu-rc0402-51-rohs-l-6-8889479.pdf, ComponentLink2Description=https://datasheet.ciiva.com/16740/pyu-rc0402-51-rohs-l-6-r-16740968.pdf, ComponentLink2URL=https://datasheet.ciiva.com/16740/pyu-rc0402-51-rohs-l-6-r-16740968.pdf, Composition="Thick Film", Contact Plating=Tin,Matte, Depth=0.5mm, Description 1="RES SMD 35.7K OHM 1% 1/16W 0402", Lead Free="Lead Free", Length=1mm, Military Standard=Not, Packaging="Tape and Reel", Pricing 1="1=0.1, 10=0.014, 100=0.0056, 1000=0.00253, 2500=0.0022, 5000=0.00181 (USD)", Stock 1=338208, Supplier 1=Digi-Key
R43 R44 R45 R47 R59: library part R_0402_3.3K, "RES 3.30K OHM 1/10W 1% 0402 SM", Case=0402, Manufacturer="Panasonic - ECG", Manufacturer Part Number=ERJ-2RKF3301X, Package / Case="0402 (1005 Metric)", Power (Watts)=1/10W, Resistance In Ohms=3.3K, Supplier Part Number 1=P3.30KLCT-ND, Temperature Coefficient=±100ppm/°C, Tolerance=±1%, Category=Resistors, ComponentLink1Description=http://industrial.panasonic.com/www-cgi/jvcr13pz.cgi?E+PZ+3+AOA0002+ERJ2RKF3301X+7+WW, ComponentLink1URL=http://industrial.panasonic.com/www-cgi/jvcr13pz.cgi?E+PZ+3+AOA0002+ERJ2RKF3301X+7+WW, Composition="Thick Film", Features=-, Height="0.014\" (0.35mm)", Number of Terminations=2, Packaging="Cut Tape (CT)", Pricing="1=0.06, 50=0.0242, 100=0.0184, 250=0.01364, 500=0.01008, 1000=0.00672, 5000=0.00473 (USD)", RoHS="RoHS Compliant", Size / Dimension="0.039\" L x 0.020\" W (1.00mm x 0.50mm)", Stock 1=246274, Supplier 1=Digi-Key